# Altium PCB MB1166.PcbDoc (part 5 of 39) (continued)
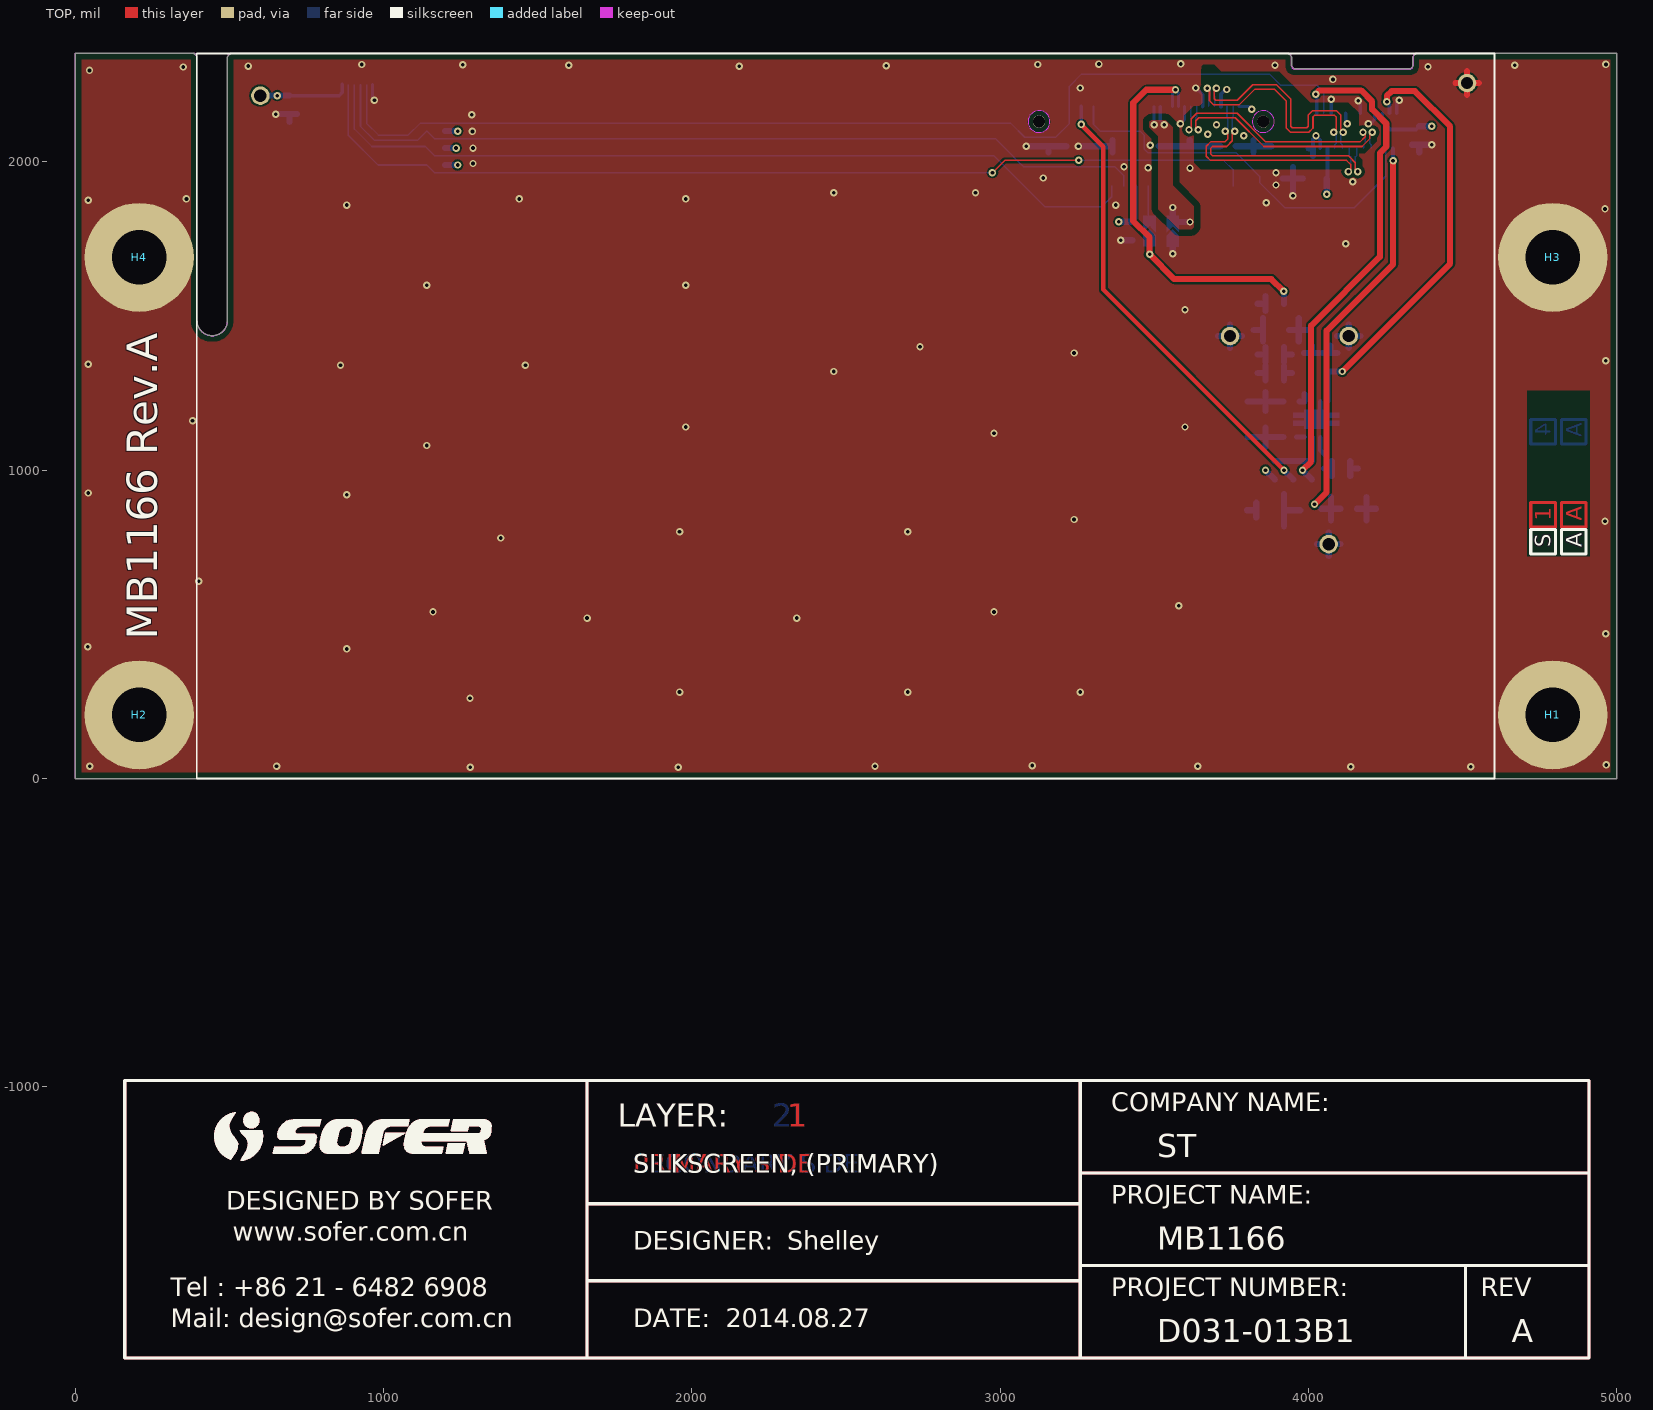
[diagram p0: TOP view]
## Nets (pads, with @x,y where several pads share a name; then routed paths per layer and width w, separated by ;. In a path a pad name is that pad's centre, name@x,y a point inside that pad or via, vN(x,y) a via of type N, cw(c..) or ccw(c..) an arc to the next point about the centre after c; other vN are vias at no path point) (continued)
; 893.32,-1214 893.42,-1213.97 ; 893.29,-1176.94 893.32,-1176.85 ; 893.29,-1176.94 893.32,-1176.85 ; 893.32,-1176.85 893.35,-1176.75 ; 893.32,-1176.85 893.35,-1176.75 ; 893.35,-1176.75 893.38,-1176.66 ; 893.35,-1176.75 893.38,-1176.66 ; 893.33,-1130.08 893.65,-1130.32 ; 893.33,-1130.08 893.65,-1130.32 ; 893.42,-1213.97 893.51,-1213.94 ; 893.42,-1213.97 893.51,-1213.94 ; 893.38,-1176.66 893.41,-1176.56 ; 893.38,-1176.66 893.41,-1176.56 ; 893.41,-1176.56 893.44,-1176.47 ; 893.41,-1176.56 893.44,-1176.47 ; 893.44,-1176.47 893.5,-1176.27 ; 893.44,-1176.47 893.5,-1176.27 ; 893.51,-1213.94 893.61,-1213.91 ; 893.51,-1213.94 893.61,-1213.91 ; 893.5,-1176.27 893.53,-1176.18 ; 893.5,-1176.27 893.53,-1176.18 ; 893.53,-1176.18 893.56,-1176.08 ; 893.53,-1176.18 893.56,-1176.08 ; 893.56,-1176.08 893.59,-1175.99 ; 893.56,-1176.08 893.59,-1175.99 ; 893.61,-1213.91 893.7,-1213.88 ; 893.61,-1213.91 893.7,-1213.88 ; 893.59,-1175.99 893.62,-1175.89 ; 893.59,-1175.99 893.62,-1175.89 ; 893.62,-1175.89 893.65,-1175.8 ; 893.62,-1175.89 893.65,-1175.8 ; 893.65,-1175.8 893.68,-1175.7 ; 893.65,-1175.8 893.68,-1175.7 ; 893.65,-1130.32 893.74,-1130.38 ; 893.65,-1130.32 893.74,-1130.38 ; 893.7,-1213.88 893.8,-1213.84 ; 893.7,-1213.88 893.8,-1213.84 ; 893.68,-1175.7 893.71,-1175.61 ; 893.68,-1175.7 893.71,-1175.61 ; 893.71,-1175.61 893.74,-1175.51 ; 893.71,-1175.61 893.74,-1175.51 ; 893.74,-1175.51 893.76,-1175.41 ; 893.74,-1175.51 893.76,-1175.41 ; 893.76,-1175.41 893.79,-1175.32 ; 893.76,-1175.41 893.79,-1175.32 ; 893.74,-1130.38 894.06,-1130.62 ; 893.74,-1130.38 894.06,-1130.62 ; 893.8,-1213.84 893.89,-1213.81 ; 893.8,-1213.84 893.89,-1213.81 ; 893.79,-1175.32 893.82,-1175.22 ; 893.79,-1175.32 893.82,-1175.22 ; 893.82,-1175.22 893.85,-1175.13 ; 893.82,-1175.22 893.85,-1175.13 ; 893.85,-1175.13 893.91,-1174.93 ; 893.85,-1175.13 893.91,-1174.93 ; 893.89,-1213.81 893.99,-1213.78 ; 893.89,-1213.81 893.99,-1213.78 ; 893.91,-1174.93 893.94,-1174.84 ; 893.91,-1174.93 893.94,-1174.84 ; 893.94,-1174.84 893.96,-1174.74 ; 893.94,-1174.84 893.96,-1174.74 ; 893.96,-1174.74 893.99,-1174.65 ; 893.96,-1174.74 893.99,-1174.65 ; 893.99,-1213.78 894.08,-1213.74 ; 893.99,-1213.78 894.08,-1213.74 ; 893.99,-1174.65 894.05,-1174.45 ; 893.99,-1174.65 894.05,-1174.45 ; 894.05,-1174.45 894.08,-1174.36 ; 894.05,-1174.45 894.08,-1174.36 ; 894.06,-1130.62 894.13,-1130.68 ; 894.06,-1130.62 894.13,-1130.68 ; 894.08,-1213.74 894.18,-1213.71 ; 894.08,-1213.74 894.18,-1213.71 ; 894.08,-1174.36 894.1,-1174.26 ; 894.08,-1174.36 894.1,-1174.26 ; 894.1,-1174.26 894.13,-1174.17 ; 894.1,-1174.26 894.13,-1174.17 ; 894.13,-1174.17 894.16,-1174.07 ; 894.13,-1174.17 894.16,-1174.07 ; 894.16,-1174.07 894.18,-1173.97 ; 894.16,-1174.07 894.18,-1173.97 ; 894.13,-1130.68 894.53,-1130.98 ; 894.13,-1130.68 894.53,-1130.98 ; 894.18,-1213.71 894.36,-1213.65 ; 894.18,-1213.71 894.36,-1213.65 ; 894.18,-1173.97 894.21,-1173.88 ; 894.18,-1173.97 894.21,-1173.88 ; 894.21,-1173.88 894.24,-1173.78 ; 894.21,-1173.88 894.24,-1173.78 ; 894.24,-1173.78 894.27,-1173.69 ; 894.24,-1173.78 894.27,-1173.69 ; 894.27,-1173.69 894.29,-1173.59 ; 894.27,-1173.69 894.29,-1173.59 ; 894.29,-1173.59 894.32,-1173.49 ; 894.29,-1173.59 894.32,-1173.49 ; 894.32,-1173.49 894.35,-1173.4 ; 894.32,-1173.49 894.35,-1173.4 ; 894.36,-1213.65 894.46,-1213.61 ; 894.36,-1213.65 894.46,-1213.61 ; 894.35,-1173.4 894.37,-1173.3 ; 894.35,-1173.4 894.37,-1173.3 ; 894.37,-1173.3 894.4,-1173.2 ; 894.37,-1173.3 894.4,-1173.2 ; 894.4,-1173.2 894.43,-1173.11 ; 894.4,-1173.2 894.43,-1173.11 ; 894.46,-1213.61 894.55,-1213.58 ; 894.46,-1213.61 894.55,-1213.58 ; 894.43,-1173.11 894.45,-1173.01 ; 894.43,-1173.11 894.45,-1173.01 ; 894.45,-1173.01 894.48,-1172.91 ; 894.45,-1173.01 894.48,-1172.91 ; 894.48,-1172.91 894.5,-1172.82 ; 894.48,-1172.91 894.5,-1172.82 ; 894.5,-1172.82 894.56,-1172.62 ; 894.5,-1172.82 894.56,-1172.62 ; 894.55,-1213.58 894.65,-1213.54 ; 894.55,-1213.58 894.65,-1213.54 ; 894.56,-1172.62 894.58,-1172.53 ; 894.56,-1172.62 894.58,-1172.53 ; 894.53,-1130.98 894.61,-1131.05 ; 894.53,-1130.98 894.61,-1131.05 ; 894.58,-1172.53 894.61,-1172.43 ; 894.58,-1172.53 894.61,-1172.43 ; 894.61,-1172.43 894.63,-1172.33 ; 894.61,-1172.43 894.63,-1172.33 ; 894.61,-1131.05 894.69,-1131.11 ; 894.61,-1131.05 894.69,-1131.11 ; 894.65,-1213.54 894.83,-1213.48 ; 894.65,-1213.54 894.83,-1213.48 ; 894.63,-1172.33 894.66,-1172.24 ; 894.63,-1172.33 894.66,-1172.24 ; 894.66,-1172.24 894.68,-1172.14 ; 894.66,-1172.24 894.68,-1172.14 ; 894.68,-1172.14 894.71,-1172.04 ; 894.68,-1172.14 894.71,-1172.04 ; 894.71,-1172.04 894.73,-1171.95 ; 894.71,-1172.04 894.73,-1171.95 ; 894.69,-1131.11 894.76,-1131.17 ; 894.69,-1131.11 894.76,-1131.17 ; 894.73,-1171.95 894.76,-1171.85 ; 894.73,-1171.96 930.01,-1136.68 894.73,-1171.96 ; 894.73,-1171.95 894.76,-1171.85 ; 894.76,-1171.85 894.78,-1171.75 ; 894.76,-1171.85 894.78,-1171.75 ; 894.76,-1131.17 894.84,-1131.23 ; 894.76,-1131.17 894.84,-1131.23 ; 894.78,-1171.75 894.81,-1171.66 ; 894.78,-1171.75 894.81,-1171.66 ; 894.81,-1171.66 894.83,-1171.56 ; 894.81,-1171.66 894.83,-1171.56 ; 894.83,-1213.48 894.93,-1213.44 ; 894.83,-1213.48 894.93,-1213.44 ; 894.83,-1171.56 894.86,-1171.46 ; 894.83,-1171.56 894.86,-1171.46 ; 894.86,-1171.46 894.88,-1171.37 ; 894.86,-1171.46 894.88,-1171.37 ; 894.84,-1131.23 894.92,-1131.3 ; 894.84,-1131.23 894.92,-1131.3 ; 894.88,-1171.37 894.91,-1171.27 ; 894.88,-1171.37 894.91,-1171.27 ; 894.91,-1171.27 894.93,-1171.17 ; 894.91,-1171.27 894.93,-1171.17 ; 894.92,-1131.3 895,-1131.36 ; 894.92,-1131.3 895,-1131.36 ; 894.93,-1213.44 895.02,-1213.41 ; 894.93,-1213.44 895.02,-1213.41 ; 894.93,-1171.17 894.96,-1171.08 ; 894.93,-1171.17 894.96,-1171.08 ; 894.96,-1171.08 894.98,-1170.98 ; 894.96,-1171.08 894.98,-1170.98 ; 895.02,-1213.41 895.12,-1213.37 ; 895.02,-1213.41 895.12,-1213.37 ; 894.98,-1170.98 895.01,-1170.88 ; 894.98,-1170.98 895.01,-1170.88 ; 895.01,-1170.88 895.03,-1170.78 ; 895.01,-1170.88 895.03,-1170.78 ; 895,-1131.36 895.07,-1131.43 ; 895,-1131.36 895.07,-1131.43 ; 895.03,-1170.78 895.05,-1170.69 ; 895.03,-1170.78 895.05,-1170.69 ; 895.05,-1170.69 895.08,-1170.59 ; 895.05,-1170.69 895.08,-1170.59 ; 895.07,-1131.43 895.15,-1131.49 ; 895.07,-1131.43 895.15,-1131.49 ; 895.12,-1213.37 895.21,-1213.34 ; 895.12,-1213.37 895.21,-1213.34 ; 895.08,-1170.59 895.1,-1170.49 ; 895.08,-1170.59 895.1,-1170.49 ; 895.1,-1170.49 895.12,-1170.4 ; 895.1,-1170.49 895.12,-1170.4 ; 895.12,-1170.4 895.15,-1170.3 ; 895.12,-1170.4 895.15,-1170.3 ; 895.15,-1170.3 895.17,-1170.2 ; 895.15,-1170.3 895.17,-1170.2 ; 895.17,-1170.2 895.2,-1170.1 ; 895.17,-1170.2 895.2,-1170.1 ; 895.15,-1131.49 895.22,-1131.56 ; 895.15,-1131.49 895.22,-1131.56 ; 895.21,-1213.34 895.3,-1213.3 ; 895.21,-1213.34 895.3,-1213.3 ; 895.2,-1170.1 895.22,-1170.01 ; 895.2,-1170.1 895.22,-1170.01 ; 895.22,-1170.01 895.24,-1169.91 ; 895.22,-1170.01 895.24,-1169.91 ; 895.22,-1131.56 895.3,-1131.62 ; 895.22,-1131.56 895.3,-1131.62 ; 895.24,-1169.91 895.27,-1169.81 ; 895.24,-1169.91 895.27,-1169.81 ; 895.27,-1169.81 895.29,-1169.72 ; 895.27,-1169.81 895.29,-1169.72 ; 895.3,-1213.3 895.4,-1213.27 ; 895.3,-1213.3 895.4,-1213.27 ; 895.29,-1169.72 895.33,-1169.52 ; 895.29,-1169.72 895.33,-1169.52 ; 895.3,-1131.62 895.38,-1131.69 ; 895.3,-1131.62 895.38,-1131.69 ; 895.33,-1169.52 895.36,-1169.42 ; 895.33,-1169.52 895.36,-1169.42 ; 895.36,-1169.42 895.38,-1169.33 ; 895.36,-1169.42 895.38,-1169.33 ; 895.4,-1213.27 895.49,-1213.23 ; 895.4,-1213.27 895.49,-1213.23 ; 895.38,-1169.33 895.4,-1169.23 ; 895.38,-1169.33 895.4,-1169.23 ; 895.4,-1169.23 895.43,-1169.13 ; 895.4,-1169.23 895.43,-1169.13 ; 895.38,-1131.69 895.45,-1131.75 ; 895.38,-1131.69 895.45,-1131.75 ; 895.43,-1169.13 895.45,-1169.03 ; 895.43,-1169.13 895.45,-1169.03 ; 895.45,-1169.03 895.47,-1168.94 ; 895.45,-1169.03 895.47,-1168.94 ; 895.47,-1168.94 895.51,-1168.74 ; 895.47,-1168.94 895.51,-1168.74 ; 895.45,-1131.75 895.52,-1131.82 ; 895.45,-1131.75 895.52,-1131.82 ; 895.49,-1213.23 895.58,-1213.2 ; 895.49,-1213.23 895.58,-1213.2 ; 895.51,-1168.74 895.54,-1168.64 ; 895.51,-1168.74 895.54,-1168.64 ; 895.52,-1131.82 895.6,-1131.89 ; 895.52,-1131.82 895.6,-1131.89 ; 895.54,-1168.64 895.56,-1168.55 ; 895.54,-1168.64 895.56,-1168.55 ; 895.56,-1168.55 895.62,-1168.25 ; 895.56,-1168.55 895.62,-1168.25 ; 895.58,-1213.2 895.68,-1213.16 ; 895.58,-1213.2 895.68,-1213.16 ; 895.62,-1168.25 895.65,-1168.16 ; 895.62,-1168.25 895.65,-1168.16 ; 895.6,-1131.89 895.67,-1131.96 ; 895.6,-1131.89 895.67,-1131.96 ; 895.65,-1168.16 895.71,-1167.86 ; 895.65,-1168.16 895.71,-1167.86 ; 895.67,-1131.96 895.74,-1132.02 ; 895.67,-1131.96 895.74,-1132.02 ; 895.68,-1213.16 895.77,-1213.13 ; 895.68,-1213.16 895.77,-1213.13 ; 895.71,-1167.86 895.73,-1167.77 ; 895.71,-1167.86 895.73,-1167.77 ; 895.77,-1213.13 895.86,-1213.09 ; 895.77,-1213.13 895.86,-1213.09 ; 895.73,-1167.77 895.75,-1167.67 ; 895.73,-1167.77 895.75,-1167.67 ; 895.75,-1167.67 895.78,-1167.57 ; 895.75,-1167.67 895.78,-1167.57 ; 895.74,-1132.02 895.82,-1132.09 ; 895.74,-1132.02 895.82,-1132.09 ; 895.78,-1167.57 895.82,-1167.37 ; 895.78,-1167.57 895.82,-1167.37 ; 895.82,-1167.37 895.84,-1167.28 ; 895.82,-1167.37 895.84,-1167.28 ; 895.82,-1132.09 896.03,-1132.3 ; 895.82,-1132.09 896.03,-1132.3 ; 895.86,-1213.09 895.96,-1213.05 ; 895.86,-1213.09 895.96,-1213.05 ; 895.84,-1167.28 895.9,-1166.98 ; 895.84,-1167.28 895.9,-1166.98 ; 895.9,-1166.98 895.92,-1166.89 ; 895.9,-1166.98 895.92,-1166.89 ; 895.92,-1166.89 896,-1166.49 ; 895.92,-1166.89 896,-1166.49 ; 895.96,-1213.05 896.05,-1213.02 ; 895.96,-1213.05 896.05,-1213.02 ; 896,-1166.49 896.03,-1166.4 ; 896,-1166.49 896.03,-1166.4 ; 896.05,-1213.02 896.14,-1212.98 ; 896.05,-1213.02 896.14,-1212.98 ; 896.03,-1166.4 896.11,-1166 ; 896.03,-1166.4 896.11,-1166 ; 896.03,-1132.3 896.1,-1132.38 ; 896.03,-1132.3 896.1,-1132.38 ; 896.11,-1166 896.13,-1165.91 ; 896.11,-1166 896.13,-1165.91 ; 896.1,-1132.38 896.24,-1132.52 ; 896.12,-1132.4 916.79,-1111.73 ; 896.1,-1132.38 896.24,-1132.52 ; 896.12,-1132.4 916.79,-1111.73 ; 896.14,-1212.98 896.24,-1212.95 ; 896.14,-1212.98 896.24,-1212.95 ; 896.13,-1165.91 896.21,-1165.51 ; 896.13,-1165.91 896.21,-1165.51 ; 896.21,-1165.51 896.23,-1165.42 ; 896.21,-1165.51 896.23,-1165.42 ; 896.24,-1212.95 896.42,-1212.87 ; 896.24,-1212.95 896.42,-1212.87 ; 896.23,-1165.42 896.24,-1165.32 ; 896.23,-1165.42 896.24,-1165.32 ; 896.24,-1165.32 896.3,-1165.02 ; 896.24,-1165.32 896.3,-1165.02 ; 896.24,-1132.52 896.3,-1132.59 ; 896.24,-1132.52 896.3,-1132.59 ; 896.3,-1165.02 896.32,-1164.93 ; 896.3,-1165.02 896.32,-1164.93 ; 896.32,-1164.93 896.42,-1164.43 ; 896.32,-1164.93 896.42,-1164.43 ; 896.3,-1132.59 896.37,-1132.67 ; 896.3,-1132.59 896.37,-1132.67 ; 896.37,-1132.67 896.44,-1132.74 ; 896.37,-1132.67 896.44,-1132.74 ; 896.42,-1212.87 896.52,-1212.84 ; 896.42,-1212.87 896.52,-1212.84 ; 896.42,-1164.43 896.44,-1164.34 ; 896.42,-1164.43 896.44,-1164.34 ; 896.44,-1164.34 896.46,-1164.24 ; 896.44,-1164.34 896.46,-1164.24 ; 896.46,-1164.24 896.47,-1164.14 ; 896.46,-1164.24 896.47,-1164.14 ; 896.47,-1164.14 896.51,-1163.94 ; 896.47,-1164.14 896.51,-1163.94 ; 896.44,-1132.74 896.5,-1132.82 ; 896.44,-1132.74 896.5,-1132.82 ; 896.52,-1212.84 896.79,-1212.72 ; 896.5,-1212.84 920.7,-1188.64 896.5,-1212.84 ; 896.52,-1212.84 896.79,-1212.72 ; 896.51,-1163.94 896.53,-1163.85 ; 896.51,-1163.94 896.53,-1163.85 ; 896.5,-1132.82 896.57,-1132.89 ; 896.5,-1132.82 896.57,-1132.89 ; 896.53,-1163.85 896.59,-1163.55 ; 896.53,-1163.85 896.59,-1163.55 ; 896.57,-1132.89 896.63,-1132.97 ; 896.57,-1132.89 896.63,-1132.97 ; 896.59,-1163.55 896.6,-1163.45 ; 896.59,-1163.55 896.6,-1163.45 ; 896.6,-1163.45 896.62,-1163.35 ; 896.6,-1163.45 896.62,-1163.35 ; 896.62,-1163.35 896.64,-1163.26 ; 896.62,-1163.35 896.64,-1163.26 ; 896.64,-1163.26 896.7,-1162.96 ; 896.64,-1163.26 896.7,-1162.96 ; 896.63,-1132.97 896.7,-1133.05 ; 896.63,-1132.97 896.7,-1133.05 ; 896.7,-1162.96 896.71,-1162.86 ; 896.7,-1162.96 896.71,-1162.86 ; 896.71,-1162.86 896.73,-1162.76 ; 896.71,-1162.86 896.73,-1162.76 ; 896.7,-1133.05 896.76,-1133.13 ; 896.7,-1133.05 896.76,-1133.13 ; 896.73,-1162.76 896.75,-1162.67 ; 896.73,-1162.76 896.75,-1162.67 ; 896.75,-1162.67 896.79,-1162.47 ; 896.75,-1162.67 896.79,-1162.47 ; 896.76,-1133.13 896.82,-1133.2 ; 896.76,-1133.13 896.82,-1133.2 ; 896.79,-1212.72 896.89,-1212.69 ; 896.79,-1212.72 896.89,-1212.69 ; 896.79,-1162.47 896.8,-1162.37 ; 896.79,-1162.47 896.8,-1162.37 ; 896.8,-1162.37 896.84,-1162.17 ; 896.8,-1162.37 896.84,-1162.17 ; 896.82,-1133.2 897.12,-1133.6 ; 896.82,-1133.2 897.12,-1133.6 ; 896.84,-1162.17 896.86,-1162.08 ; 896.84,-1162.17 896.86,-1162.08 ; 896.86,-1162.08 896.87,-1161.98 ; 896.86,-1162.08 896.87,-1161.98 ; 896.87,-1161.98 896.93,-1161.68 ; 896.87,-1161.98 896.93,-1161.68 ; 896.89,-1212.69 897.16,-1212.57 ; 896.89,-1212.69 897.16,-1212.57 ; 896.93,-1161.68 896.94,-1161.58 ; 896.93,-1161.68 896.94,-1161.58 ; 896.94,-1161.58 896.96,-1161.48 ; 896.94,-1161.58 896.96,-1161.48 ; 896.96,-1161.48 896.98,-1161.39 ; 896.96,-1161.48 896.98,-1161.39 ; 896.98,-1161.39 896.99,-1161.29 ; 896.98,-1161.39 896.99,-1161.29 ; 896.99,-1161.29 897.05,-1160.99 ; 896.99,-1161.29 897.05,-1160.99 ; 897.05,-1160.99 897.06,-1160.89 ; 897.05,-1160.99 897.06,-1160.89 ; 897.06,-1160.89 897.08,-1160.79 ; 897.06,-1160.89 897.08,-1160.79 ; 897.08,-1160.79 897.1,-1160.7 ; 897.08,-1160.79 897.1,-1160.7 ; 897.1,-1160.7 897.11,-1160.6 ; 897.1,-1160.7 897.11,-1160.6 ; 897.11,-1160.6 897.15,-1160.4 ; 897.11,-1160.59 928.56,-1129.15 897.11,-1160.59 ; 897.11,-1160.6 897.15,-1160.4 ; 897.12,-1133.6 897.18,-1133.69 ; 897.12,-1133.6 897.18,-1133.69 ; 897.16,-1212.57 897.26,-1212.53 ; 897.16,-1212.57 897.26,-1212.53 ; 897.15,-1160.4 897.16,-1160.3 ; 897.15,-1160.4 897.16,-1160.3 ; 897.16,-1160.3 897.2,-1160.1 ; 897.16,-1160.3 897.2,-1160.1 ; 897.2,-1160.1 897.21,-1160.01 ; 897.2,-1160.1 897.21,-1160.01 ; 897.21,-1160.01 897.25,-1159.81 ; 897.21,-1160.01 897.25,-1159.81 ; 897.18,-1133.69 897.24,-1133.77 ; 897.18,-1133.69 897.24,-1133.77 ; 897.26,-1212.53 897.35,-1212.49 ; 897.26,-1212.53 897.35,-1212.49 ; 897.25,-1159.81 897.26,-1159.71 ; 897.25,-1159.81 897.26,-1159.71 ; 897.26,-1159.71 897.28,-1159.61 ; 897.26,-1159.71 897.28,-1159.61 ; 897.24,-1133.77 897.29,-1133.85 ; 897.24,-1133.77 897.29,-1133.85 ; 897.28,-1159.61 897.29,-1159.51 ; 897.28,-1159.61 897.29,-1159.51 ; 897.29,-1159.51 897.31,-1159.41 ; 897.29,-1159.51 897.31,-1159.41 ; 897.31,-1159.41 897.33,-1159.32 ; 897.31,-1159.41 897.33,-1159.32 ; 897.29,-1133.85 897.35,-1133.93 ; 897.29,-1133.85 897.35,-1133.93 ; 897.35,-1212.49 897.44,-1212.46 ; 897.35,-1212.49 897.44,-1212.46 ; 897.33,-1159.32 897.34,-1159.22 ; 897.33,-1159.32 897.34,-1159.22 ; 897.34,-1159.22 897.36,-1159.12 ; 897.34,-1159.22 897.36,-1159.12 ; 897.36,-1159.12 897.37,-1159.02 ; 897.36,-1159.12 897.37,-1159.02 ; 897.37,-1159.02 897.41,-1158.82 ; 897.37,-1159.02 897.41,-1158.82 ; 897.35,-1133.93 897.4,-1134.02 ; 897.35,-1133.93 897.4,-1134.02 ; 897.41,-1158.82 897.42,-1158.72 ; 897.41,-1158.82 897.42,-1158.72 ; 897.42,-1158.72 897.44,-1158.62 ; 897.42,-1158.72 897.44,-1158.62 ; 897.4,-1134.02 897.46,-1134.1 ; 897.4,-1134.02 897.46,-1134.1 ; 897.44,-1212.46 897.53,-1212.42 ; 897.44,-1212.46 897.53,-1212.42 ; 897.44,-1158.62 897.45,-1158.53 ; 897.44,-1158.62 897.45,-1158.53 ; 897.45,-1158.53 897.49,-1158.33 ; 897.45,-1158.53 897.49,-1158.33 ; 897.46,-1134.1 897.51,-1134.19 ; 897.46,-1134.1 897.51,-1134.19 ; 897.49,-1158.33 897.5,-1158.23 ; 897.49,-1158.33 897.5,-1158.23 ; 897.5,-1158.23 897.52,-1158.13 ; 897.5,-1158.23 897.52,-1158.13 ; 897.52,-1158.13 897.53,-1158.03 ; 897.52,-1158.13 897.53,-1158.03 ; 897.51,-1134.19 897.56,-1134.27 ; 897.51,-1134.19 897.56,-1134.27 ; 897.53,-1212.42 897.63,-1212.38 ; 897.53,-1212.42 897.63,-1212.38 ; 897.53,-1158.03 897.55,-1157.93 ; 897.53,-1158.03 897.55,-1157.93 ; 897.55,-1157.93 897.56,-1157.83 ; 897.55,-1157.93 897.56,-1157.83 ; 897.56,-1157.83 897.58,-1157.74 ; 897.56,-1157.83 897.58,-1157.74 ; 897.56,-1134.27 897.62,-1134.36 ; 897.56,-1134.27 897.62,-1134.36 ; 897.58,-1157.74 897.59,-1157.64 ; 897.58,-1157.74 897.59,-1157.64 ; 897.59,-1157.64 897.63,-1157.44 ; 897.59,-1157.64 897.63,-1157.44 ; 897.62,-1134.36 897.67,-1134.44 ; 897.62,-1134.36 897.67,-1134.44 ; 897.63,-1212.38 898.17,-1212.14 ; 897.63,-1212.38 898.17,-1212.14 ; 897.63,-1157.44 897.64,-1157.34 ; 897.63,-1157.44 897.64,-1157.34 ; 897.64,-1157.34 897.66,-1157.24 ; 897.64,-1157.34 897.66,-1157.24 ; 897.66,-1157.24 897.67,-1157.14 ; 897.66,-1157.24 897.67,-1157.14 ; 897.67,-1157.14 897.69,-1157.04 ; 897.67,-1157.14 897.69,-1157.04 ; 897.67,-1134.44 897.77,-1134.62 ; 897.67,-1134.44 897.77,-1134.62 ; 897.69,-1157.04 897.7,-1156.94 ; 897.69,-1157.04 897.7,-1156.94 ; 897.7,-1156.94 897.72,-1156.85 ; 897.7,-1156.94 897.72,-1156.85 ; 897.72,-1156.85 897.73,-1156.75 ; 897.72,-1156.85 897.73,-1156.75 ; 897.73,-1156.75 897.75,-1156.65 ; 897.73,-1156.75 897.75,-1156.65 ; 897.75,-1156.65 897.76,-1156.55 ; 897.75,-1156.65 897.76,-1156.55 ; 897.76,-1156.55 897.78,-1156.45 ; 897.76,-1156.55 897.78,-1156.45 ; 897.77,-1134.62 897.82,-1134.7 ; 897.77,-1134.62 897.82,-1134.7 ; 897.78,-1156.45 897.79,-1156.35 ; 897.78,-1156.45 897.79,-1156.35 ; 897.79,-1156.35 897.81,-1156.25 ; 897.79,-1156.35 897.81,-1156.25 ; 897.81,-1156.25 897.82,-1156.15 ; 897.81,-1156.25 897.82,-1156.15 ; 897.82,-1156.15 897.84,-1156.05 ; 897.82,-1156.15 897.84,-1156.05 ; 897.82,-1134.7 897.87,-1134.79 ; 897.82,-1134.7 897.87,-1134.79 ; 897.84,-1156.05 897.85,-1155.96 ; 897.84,-1156.05 897.85,-1155.96 ; 897.85,-1155.96 897.87,-1155.86 ; 897.85,-1155.96 897.87,-1155.86 ; 897.87,-1155.86 897.88,-1155.76 ; 897.87,-1155.86 897.88,-1155.76 ; 897.87,-1134.79 897.91,-1134.88 ; 897.87,-1134.79 897.91,-1134.88 ; 897.88,-1155.76 897.9,-1155.66 ; 897.88,-1155.76 897.9,-1155.66 ; 897.9,-1155.66 897.91,-1155.56 ; 897.9,-1155.66 897.91,-1155.56 ; 897.91,-1155.56 897.93,-1155.46 ; 897.91,-1155.56 897.93,-1155.46 ; 897.91,-1134.88 897.96,-1134.97 ; 897.91,-1134.88 897.96,-1134.97 ; 897.93,-1155.46 897.95,-1155.26 ; 897.93,-1155.46 897.95,-1155.26 ; 897.95,-1155.26 897.97,-1155.16 ; 897.95,-1155.26 927.55,-1125.67 ; 897.95,-1155.26 897.97,-1155.16 ; 897.95,-1155.26 927.55,-1125.67 ; 897.97,-1155.16 897.98,-1155.07 ; 897.97,-1155.16 897.98,-1155.07 ; 897.96,-1134.97 898.01,-1135.05 ; 897.96,-1134.97 898.01,-1135.05 ; 897.98,-1155.07 898,-1154.97 ; 897.98,-1155.07 898,-1154.97 ; 898,-1154.97 898.01,-1154.87 ; 898,-1154.97 898.01,-1154.87 ; 898.01,-1154.87 898.03,-1154.77 ; 898.01,-1154.87 898.03,-1154.77 ; 898.01,-1135.05 898.05,-1135.14 ; 898.01,-1135.05 898.05,-1135.14 ; 898.03,-1154.77 898.04,-1154.67 ; 898.03,-1154.77 898.04,-1154.67 ; 898.04,-1154.67 898.06,-1154.57 ; 898.04,-1154.67 898.06,-1154.57 ; 898.06,-1154.57 898.08,-1154.37 ; 898.06,-1154.57 898.08,-1154.37 ; 898.05,-1135.14 898.1,-1135.23 ; 898.05,-1135.14 898.1,-1135.23 ; 898.08,-1154.37 898.1,-1154.27 ; 898.08,-1154.37 898.1,-1154.27 ; 898.1,-1154.27 898.11,-1154.18 ; 898.1,-1154.27 898.11,-1154.18 ; 898.11,-1154.18 898.13,-1154.08 ; 898.11,-1154.18 898.13,-1154.08 ; 898.1,-1135.23 898.18,-1135.41 ; 898.1,-1135.23 898.18,-1135.41 ; 898.17,-1212.14 898.27,-1212.09 ; 898.17,-1212.14 898.27,-1212.09 ; 898.13,-1154.08 898.14,-1153.98 ; 898.13,-1154.08 898.14,-1153.98 ; 898.14,-1153.98 898.16,-1153.88 ; 898.14,-1153.98 898.16,-1153.88 ; 898.16,-1153.88 898.17,-1153.78 ; 898.16,-1153.88 898.17,-1153.78 ; 898.17,-1153.78 898.19,-1153.68 ; 898.17,-1153.78 898.19,-1153.68 ; 898.19,-1153.68 898.21,-1153.48 ; 898.19,-1153.68 898.21,-1153.48 ; 898.21,-1153.48 898.23,-1153.38 ; 898.21,-1153.48 898.23,-1153.38 ; 898.18,-1135.41 898.23,-1135.5 ; 898.18,-1135.41 898.23,-1135.5 ; 898.27,-1212.09 898.63,-1211.93 ; 898.27,-1212.09 898.63,-1211.93 ; 898.23,-1153.38 898.24,-1153.28 ; 898.23,-1153.38 898.24,-1153.28 ; 898.24,-1153.28 898.26,-1153.19 ; 898.24,-1153.28 898.26,-1153.19 ; 898.26,-1153.19 898.28,-1152.99 ; 898.26,-1153.19 898.28,-1152.99 ; 898.23,-1135.5 898.31,-1135.68 ; 898.23,-1135.5 898.31,-1135.68 ; 898.28,-1152.99 898.3,-1152.89 ; 898.28,-1152.99 898.3,-1152.89 ; 898.3,-1152.89 898.31,-1152.79 ; 898.3,-1152.89 898.31,-1152.79 ; 898.31,-1152.79 898.33,-1152.69 ; 898.31,-1152.79 898.33,-1152.69 ; 898.31,-1135.68 898.35,-1135.78 ; 898.31,-1135.68 898.35,-1135.78 ; 898.33,-1152.69 898.35,-1152.49 ; 898.33,-1152.69 898.35,-1152.49 ; 898.35,-1152.49 898.37,-1152.39 ; 898.35,-1152.49 898.37,-1152.39 ; 898.37,-1152.39 898.38,-1152.29 ; 898.37,-1152.39 898.38,-1152.29 ; 898.35,-1135.78 898.51,-1136.14 ; 898.35,-1135.78 898.51,-1136.14 ; 898.38,-1152.29 898.4,-1152.2 ; 898.38,-1152.29 898.4,-1152.2 ; 898.4,-1152.2 898.42,-1152 ; 898.4,-1152.2 898.42,-1152 ; 898.42,-1152 898.44,-1151.9 ; 898.42,-1152 898.44,-1151.9 ; 898.44,-1151.9 898.45,-1151.8 ; 898.44,-1151.9 898.45,-1151.8 ; 898.45,-1151.8 898.47,-1151.7 ; 898.45,-1151.8 898.47,-1151.7 ; 898.47,-1151.7 898.49,-1151.5 ; 898.47,-1151.7 898.49,-1151.5 ; 898.49,-1151.5 898.51,-1151.4 ; 898.49,-1151.5 898.51,-1151.4 ; 898.51,-1151.4 898.53,-1151.2 ; 898.51,-1151.4 898.53,-1151.2 ; 898.51,-1136.14 898.55,-1136.24 ; 898.51,-1136.14 898.55,-1136.24 ; 898.53,-1151.2 898.55,-1151.11 ; 898.53,-1151.2 898.55,-1151.11 ; 898.55,-1151.11 898.56,-1151.01 ; 898.55,-1151.11 898.56,-1151.01 ; 898.56,-1151.01 898.58,-1150.91 ; 898.56,-1151.01 898.58,-1150.91 ; 898.55,-1136.24 898.59,-1136.33 ; 898.55,-1136.24 898.59,-1136.33 ; 898.58,-1150.91 898.6,-1150.71 ; 898.58,-1150.91 898.6,-1150.71 ; 898.6,-1150.71 898.62,-1150.61 ; 898.6,-1150.71 898.62,-1150.61 ; 898.62,-1150.61 898.64,-1150.41 ; 898.62,-1150.61 898.64,-1150.41 ; 898.62,-1136.42 898.59,-1136.33 ; 898.62,-1136.42 898.66,-1136.51 ; 898.62,-1136.42 898.59,-1136.33 ; 898.62,-1136.42 898.66,-1136.51 ; 898.63,-1211.93 898.72,-1211.88 ; 898.63,-1211.93 898.72,-1211.88 ; 898.64,-1150.41 898.66,-1150.31 ; 898.64,-1150.41 898.66,-1150.31 ; 898.66,-1150.31 898.67,-1150.21 ; 898.66,-1150.31 898.67,-1150.21 ; 898.67,-1150.21 898.69,-1150.12 ; 898.67,-1150.21 898.69,-1150.12 ; 898.66,-1136.51 898.7,-1136.61 ; 898.66,-1136.51 898.7,-1136.61 ; 898.72,-1211.88 898.99,-1211.76 ; 898.72,-1211.88 898.99,-1211.76 ; 898.69,-1150.12 898.71,-1149.92 ; 898.69,-1150.12 898.71,-1149.92 ; 898.71,-1149.92 898.73,-1149.82 ; 898.71,-1149.92 898.73,-1149.82 ; 898.7,-1136.61 898.73,-1136.7 ; 898.7,-1136.61 898.73,-1136.7 ; 898.73,-1149.82 898.75,-1149.62 ; 898.73,-1149.82 898.75,-1149.62 ; 898.75,-1149.62 898.77,-1149.52 ; 898.75,-1149.62 898.77,-1149.52 ; 898.77,-1149.52 898.79,-1149.32 ; 898.77,-1149.52 898.79,-1149.32 ; 898.77,-1136.79 898.73,-1136.7 ; 898.77,-1136.79 898.8,-1136.89 ; 898.77,-1136.79 898.73,-1136.7 ; 898.77,-1136.79 898.8,-1136.89 ; 898.79,-1149.32 898.81,-1149.22 ; 898.79,-1149.32 898.81,-1149.22 ; 898.81,-1149.22 898.82,-1149.12 ; 898.81,-1149.22 898.82,-1149.12 ; 898.82,-1149.12 898.83,-1149.03 ; 898.82,-1149.12 898.83,-1149.03 ; 898.8,-1136.89 898.84,-1136.98 ; 898.8,-1136.89 898.84,-1136.98 ; 898.83,-1149.03 898.85,-1148.93 ; 898.83,-1149.03 898.85,-1148.93 ; 898.85,-1148.93 898.86,-1148.83 ; 898.85,-1148.93 898.86,-1148.83 ; 898.86,-1148.83 898.88,-1148.73 ; 898.86,-1148.83 898.88,-1148.73 ; 898.87,-1137.08 898.84,-1136.98 ; 898.87,-1137.08 898.91,-1137.17 ; 898.87,-1137.08 898.84,-1136.98 ; 898.87,-1137.08 898.91,-1137.17 ; 898.88,-1148.73 898.9,-1148.53 ; 898.88,-1148.73 898.9,-1148.53 ; 898.9,-1148.53 898.92,-1148.43 ; 898.9,-1148.53 898.92,-1148.43 ; 898.92,-1148.43 898.94,-1148.23 ; 898.92,-1148.43 898.94,-1148.23 ; 898.91,-1137.17 898.94,-1137.26 ; 898.91,-1137.17 898.94,-1137.26 ; 898.94,-1148.23 898.96,-1148.13 ; 898.94,-1148.23 898.96,-1148.13 ; 898.96,-1148.13 898.97,-1148.03 ; 898.96,-1148.13 898.97,-1148.03 ; 898.97,-1148.03 898.98,-1147.94 ; 898.97,-1148.03 898.98,-1147.94 ; 898.97,-1137.36 898.94,-1137.26 ; 898.97,-1137.36 899,-1137.45 ; 898.97,-1137.36 898.94,-1137.26 ; 898.97,-1137.36 899,-1137.45 ; 898.99,-1211.76 899.08,-1211.71 ; 898.99,-1211.76 899.08,-1211.71 ; 898.98,-1147.94 899,-1147.84 ; 898.98,-1147.94 899,-1147.84 ; 899,-1147.84 899.02,-1147.64 ; 899,-1147.84 899.02,-1147.64 ; 899.02,-1147.64 899.04,-1147.54 ; 899.02,-1147.64 899.04,-1147.54 ; 899,-1137.45 899.04,-1137.55 ; 899,-1137.45 899.04,-1137.55 ; 899.04,-1147.54 899.05,-1147.44 ; 899.04,-1147.54 899.05,-1147.44 ; 899.05,-1147.44 899.07,-1147.34 ; 899.05,-1147.43 925.27,-1121.21 ; 899.05,-1147.44 899.07,-1147.34 ; 899.05,-1147.43 925.27,-1121.21 ; 899.07,-1147.34 899.09,-1147.14 ; 899.07,-1147.34 899.09,-1147.14 ; 899.07,-1137.64 899.04,-1137.55 ; 899.07,-1137.64 899.1,-1137.74 ; 899.07,-1137.64 899.04,-1137.55 ; 899.07,-1137.64 899.1,-1137.74 ; 899.08,-1211.71 899.26,-1211.63 ; 899.08,-1211.71 899.26,-1211.63 ; 899.09,-1147.14 899.11,-1147.04 ; 899.09,-1147.14 899.11,-1147.04 ; 899.11,-1147.04 899.12,-1146.94 ; 899.11,-1147.04 899.12,-1146.94 ; 899.12,-1146.94 899.13,-1146.85 ; 899.12,-1146.94 899.13,-1146.85 ; 899.1,-1137.74 899.13,-1137.83 ; 899.1,-1137.74 899.13,-1137.83 ; 899.13,-1146.85 899.15,-1146.75 ; 899.13,-1146.85 899.15,-1146.75 ; 899.15,-1146.75 899.17,-1146.55 ; 899.15,-1146.75 899.17,-1146.55 ; 899.17,-1146.55 899.19,-1146.45 ; 899.17,-1146.55 899.19,-1146.45 ; 899.16,-1137.93 899.13,-1137.83 ; 899.16,-1137.93 899.19,-1138.02 ; 899.16,-1137.93 899.13,-1137.83 ; 899.16,-1137.93 899.19,-1138.02 ; 899.19,-1146.45 899.21,-1146.25 ; 899.19,-1146.45 899.21,-1146.25 ; 899.21,-1146.25 899.23,-1146.15 ; 899.21,-1146.25 899.23,-1146.15 ; 899.21,-1138.12 899.19,-1138.02 ; 899.21,-1138.12 899.24,-1138.22 ; 899.21,-1138.12 899.19,-1138.02 ; 899.21,-1138.12 899.24,-1138.22 ; 899.26,-1211.63 899.35,-1211.58 ; 899.26,-1211.63 899.35,-1211.58 ; 899.23,-1146.15 899.25,-1145.95 ; 899.23,-1146.15 899.25,-1145.95 ; 899.25,-1145.95 899.27,-1145.85 ; 899.25,-1145.95 899.27,-1145.85 ; 899.27,-1145.85 899.28,-1145.76 ; 899.27,-1145.85 899.28,-1145.76 ; 899.27,-1138.31 899.24,-1138.22 ; 899.27,-1138.31 899.3,-1138.41 ; 899.27,-1138.31 899.24,-1138.22 ; 899.27,-1138.31 899.3,-1138.41 ; 899.28,-1145.76 899.29,-1145.66 ; 899.28,-1145.76 899.29,-1145.66 ; 899.29,-1145.66 899.31,-1145.56 ; 899.29,-1145.66 899.31,-1145.56 ; 899.31,-1145.56 899.33,-1145.36 ; 899.31,-1145.56 899.33,-1145.36 ; 899.32,-1138.51 899.3,-1138.41 ; 899.32,-1138.51 899.35,-1138.6 ; 899.32,-1138.51 899.3,-1138.41 ; 899.32,-1138.51 899.35,-1138.6 ; 899.35,-1211.58 899.44,-1211.54 ; 899.35,-1211.58 899.44,-1211.54 ; 899.33,-1145.36 899.35,-1145.26 ; 899.33,-1145.36 899.35,-1145.26 ; 899.35,-1145.26 899.38,-1144.96 ; 899.35,-1145.26 899.38,-1144.96 ; 899.35,-1138.6 899.39,-1138.8 ; 899.35,-1138.6 899.39,-1138.8 ; 899.38,-1144.96 899.4,-1144.86 ; 899.38,-1144.96 899.4,-1144.86 ; 899.4,-1144.86 899.42,-1144.66 ; 899.4,-1144.84 924.44,-1119.8 899.4,-1144.84 ; 899.4,-1144.86 899.42,-1144.66 ; 899.42,-1144.66 899.43,-1144.57 ; 899.42,-1144.66 899.43,-1144.57 ; 899.42,-1138.89 899.39,-1138.8 ; 899.42,-1138.89 899.5,-1139.29 ; 899.42,-1138.89 899.39,-1138.8 ; 899.42,-1138.89 899.5,-1139.29 ; 899.44,-1211.54 899.53,-1211.49 ; 899.44,-1211.54 899.53,-1211.49 ; 899.43,-1144.57 899.45,-1144.37 ; 899.43,-1144.57 899.45,-1144.37 ; 899.45,-1144.37 899.47,-1144.27 ; 899.45,-1144.37 899.47,-1144.27 ; 899.47,-1144.27 899.58,-1143.17 ; 899.47,-1144.27 899.58,-1143.17 ; 899.51,-1139.38 899.5,-1139.29 ; 899.51,-1139.38 899.55,-1139.58 ; 899.51,-1139.38 899.5,-1139.29 ; 899.51,-1139.38 899.55,-1139.58 ; 899.53,-1211.49 899.62,-1211.45 ; 899.53,-1211.49 899.62,-1211.45 ; 899.56,-1139.68 899.55,-1139.58 ; 899.56,-1139.68 899.58,-1139.78 ; 899.56,-1139.68 899.55,-1139.58 ; 899.56,-1139.68 899.58,-1139.78 ; 899.62,-1211.45 899.71,-1211.4 ; 899.62,-1211.45 899.71,-1211.4 ; 899.58,-1143.17 899.58,-1143.07 ; 899.58,-1143.17 899.58,-1143.07 ; 899.58,-1143.07 899.62,-1142.67 ; 899.58,-1143.07 899.62,-1142.67 ; 899.62,-1142.67 899.62,-1142.57 ; 899.62,-1142.67 899.62,-1142.57 ; 899.62,-1142.57 899.64,-1142.37 ; 899.62,-1142.57 899.64,-1142.37 ; 899.58,-1139.78 899.65,-1140.48 ; 899.58,-1139.78 899.65,-1140.48 ; 899.64,-1142.37 899.64,-1142.28